# KiCad board pcb.kicad_pcb (continued)
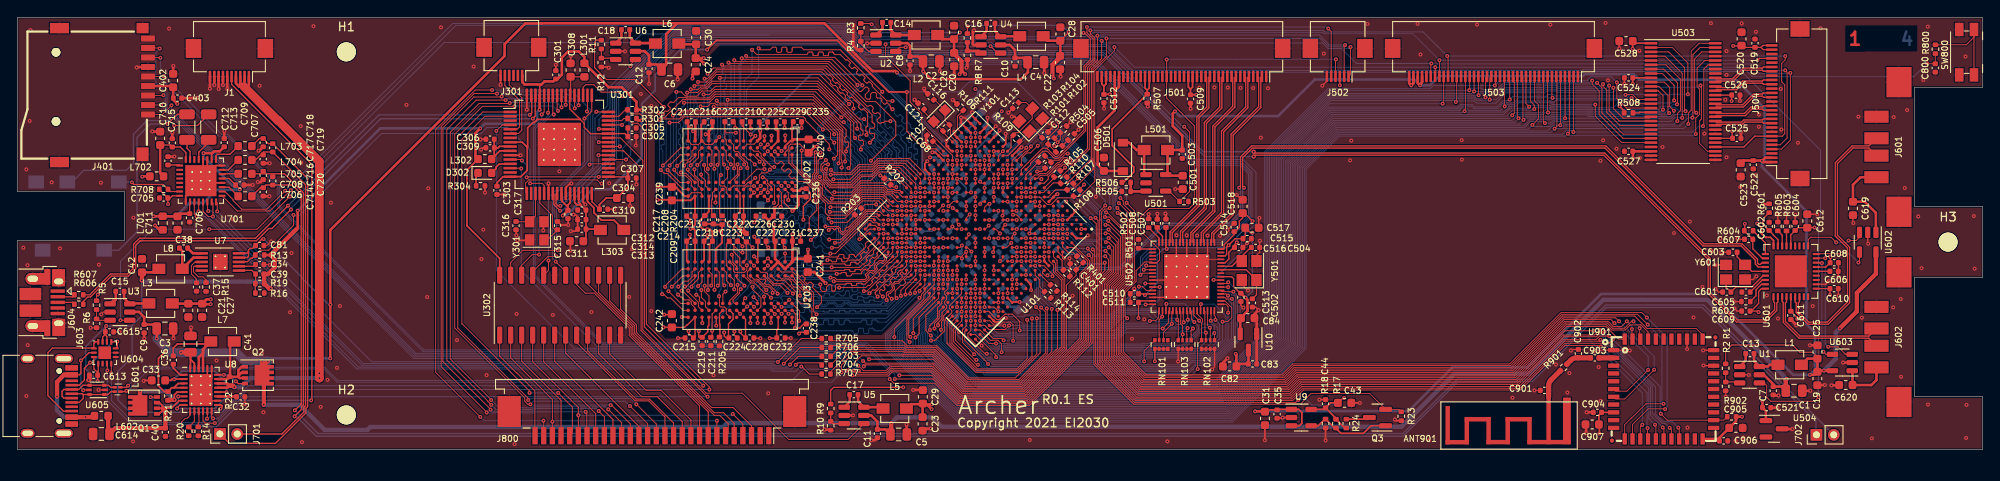
[diagram p0: board, top side]
## Routing (per net, layer and track width the routed paths; a pad name or vN(x,y) marks a point on that pad's centre or on a via; arc(x,y) is an arc through that point) (continued)
VBUS: length 17.3
  Top w0.2: 17.08,4.78 17.79,4.78 18.67,5.65 U8.7 ; 17.08,4.78 Q1.2 ; 17.08,4.78 16.77,4.78 ; 16.77,4.78 16.77,4.51 16.38,4.13 Q1.1 ; 16.77,4.78 16.77,5.07 16.41,5.43 Q1.3
  Top w0.5: 16.77,4.78 17.1,4.45 C40.2 11.33,2.48 C614.1 10.49,1.96 L602.1
VBUS_IN: length 20.3
  Top w0.15: v1(7.61,6.86) 7.65,6.9 U605.5 ; J603.A4 7.16,8.65 7.34,8.83 7.34,10.28 8.26,11.2 U604.2
  Top w0.5: J603.A9 8.76,3.75 L602.2 ; J603.A4 5.4,8.65 4.58,7.83 v1(4.58,6.14)
  Bottom w0.15: v1(7.61,6.86) 7.34,7.13 v1(7.34,10.3)
  Bottom w0.5: v1(7.86,3.76) 5.37,3.76 4.58,4.55 v1(4.58,6.14)
+DRAM_VREF: length 81.9
  Top w0.1: U101.AC13 v2(105.36,31.33)
  Top w0.11: U202.M8 80.29,29.71 80.29,28.93 80.2,28.84 80.2,27.26 80.89,26.57 81.65,26.57 C209.1 ; C209.1 84.2,22.02 U203.H1 ; C209.1 84.28,24.02 v1(84.92,23.38) ; v1(84.7,36.44) 83.71,37.44 C210.1 83.88,37.73 U202.H1 ; U203.M8 80.25,15.67 v1(80.25,13.74) 80.25,13.13 C211.1
  Bottom w0.11: v1(80.25,13.74) 80.25,14.55 84.38,18.68 84.38,18.9 84.65,19.16 84.65,23.11 v1(84.92,23.38) 84.69,23.61 84.69,30.62 84.79,30.72 84.79,32.82 84.7,32.92 84.7,36.43 v1(84.7,36.44)
  Bottom w0.15: R207.1 R206.2 86.6,24.09 C233.2 ; C234.1 C233.2 ; C233.2 86,25.76 84.8,25.76 ; 84.69,25.65 84.8,25.76 84.8,25.76 ; 84.8,25.76 84.77,25.73
  Bottom w0.2: v1(84.7,36.44) 91.66,43.4 98.73,43.4 104.52,37.61 104.52,32.45 105.36,31.61 v2(105.36,31.33)
+SYS: length 398.3
  Top w0.15: 26.71,22.9 26.71,23.09 26.9,23.28 27.2,23.28 C81.2 27.52,23.62 28.25,24.35 v1(28.44,24.35) ; 26.71,22.9 26.52,22.72 25.62,22.72 U7.10 ; 26.71,22.9 26.71,22.37 26.54,22.2 25.6,22.2 U7.9
  Top w0.2: 20,10.69 C41.2 ; 20,10.69 20,10.43 20.45,9.98 U8.27 ; 20,10.69 20,9.4 U8.28 ; v1(17.19,11.44) 16.3,10.55 16.3,7.36 16.96,6.71 R21.1 17.84,7.15 18.14,7.15 ; U8.4 18.14,7.15 ; 18.14,7.15 18.14,7.2 18.57,7.63 19.23,7.63 U8.3
  Top w0.3: U6.5 71.41,46.08 72.46,46.08 72.95,45.58 C12.2 73.82,44.54 C6.2 ; U4.5 114.63,46.81 115.24,46.2 C10.2 116.19,45.31 116.73,44.76 116.73,43.64 116.72,43.64 115.93,42.85 105.53,42.85 v1(104.63,43.75) 104.61,43.78 C2.2 104.05,45.46 C8.2 103.11,46.72 102.81,47.01 101.46,47.01 U2.5 ; 96.85,45.68 98.74,43.78 101.43,43.78 v1(101.6,43.61) ; 96.85,45.68 96.85,45.67 ; 96.85,45.68 93.22,49.3 76.21,49.3 ; C6.2 74.38,43.94 ; C6.2 74.94,44.5 74.94,48.03 76.21,49.3 ; 76.21,49.3 60.54,49.3 60.52,49.28 58.67,49.28 56.28,46.89 56.28,45.53 36.14,25.39 v1(36.14,10.54) ; U1.5 201.72,8.65 202.81,7.56 C7.2 203.78,7.28 C1.2 ; v1(16.11,12.83) 16.11,13.99 C3.2 15.64,14.46 C9.2 14.65,15.26 14.65,15.32 14.05,15.92 13.01,15.92 U3.5 ; C5.2 100.26,2.32 C11.2 99.34,3.23 98.63,3.94 U5.5
  Top w0.5: C1.2 204.26,8.07 v1(204.35,8.16) ; v1(28.93,10.23) 28.26,9.55 Q2.5 ; C41.2 18.91,11.25 v1(18.9,11.24) ; v1(100.93,3.06) 100.93,1.83 C5.2 ; Q2.5 28.47,8.38 v1(28.47,5.18) ; Q2.5 28.26,10.23 v1(28.27,10.25)
  Bottom w0.15: v1(36.16,16.76) 35.95,16.76 32.85,19.86 32.85,19.94 v1(28.44,24.35)
  Bottom w0.3: v1(36.14,10.54) 29.24,10.54 ; 29.24,10.54 25.97,10.54 ; 29.24,10.54 v1(28.93,10.23) ; v1(104.63,43.75) 104.63,43.48 104.42,43.27 101.94,43.27 v1(101.6,43.61)
  Bottom w0.5: v1(28.47,5.18) 28.48,5.17 32.59,5.17 35.49,2.27 40.43,2.27 40.77,2.61 81.52,2.61 81.97,3.06 v1(100.93,3.06) 101.59,3.72 105.68,3.72 106.76,2.64 159.87,2.64 166,8.77 174.64,8.77 183.19,17.32 195.19,17.32 v1(204.35,8.16)
  Bottom w1: v1(16.11,12.83) 17.69,11.24 v1(18.9,11.24) 18.96,11.18 25.33,11.18 26.26,10.25 28.91,10.25 v1(28.93,10.23)
/audio/MICBIAS: length 1.4
  Top w0.15: C715.1 18.68,32.92 U701.1
/ddr/DRAM_ADDR0: length 69.6
  Top w0.1: U202.N3 79.7,33.92 79.7,32.51 v1(79.75,32.46) ; v1(79.76,18.46) 79.77,18.46 79.77,19.97 79.89,20.1 ; 96.75,40.4 97.25,39.9 arc(97.26,39.87) 97.25,39.83 97.14,39.73 arc(97.11,39.66) 97.14,39.59 97.42,39.3 arc(97.49,39.27) 97.57,39.3 97.67,39.41 arc(97.71,39.42) 97.74,39.41 98.21,38.94 98.21,37.44 arc(98.18,37.37) 98.11,37.34 arc(98.04,37.31) 98.01,37.24 98.01,36.84 arc(98.04,36.77) 98.11,36.74 arc(98.18,36.71) 98.21,36.64 98.21,36.54 v1(98.07,36.4) ; 96.75,40.4 96.4,40.75 arc(96.36,40.77) 96.33,40.75 96.26,40.68 arc(96.22,40.67) 96.19,40.68 95.83,41.04 arc(95.82,41.07) 95.83,41.11 95.9,41.18 arc(95.92,41.21) 95.9,41.25 95.55,41.6 arc(95.51,41.62) 95.48,41.6 95.41,41.53 arc(95.37,41.52) 95.34,41.53 94.98,41.88 arc(94.97,41.92) 94.98,41.95 95.05,42.03 arc(95.07,42.06) 95.05,42.1 94.7,42.45 arc(94.67,42.46) 94.63,42.45 94.56,42.38 arc(94.52,42.36) 94.49,42.38 94.14,42.73 arc(94.12,42.77) 94.14,42.8 94.21,42.87 arc(94.22,42.91) 94.21,42.94 93.85,43.3 arc(93.82,43.31) 93.78,43.3 arc(93.75,43.28) 93.71,43.3 93.08,43.93 80.73,43.93 79.69,42.9 v1(79.38,42.9) ; 96.75,40.4 96.89,40.26 ; U101.AB19 v2(102.18,27.09)
  Bottom w0.1: 100.47,32.71 100.47,32.91 ; 100.47,32.71 100.47,32.21 arc(100.45,32.18) 100.42,32.16 arc(100.38,32.15) 100.37,32.11 100.37,31.61 arc(100.38,31.58) 100.42,31.56 arc(100.45,31.55) 100.47,31.51 100.47,31.01 arc(100.45,30.98) 100.42,30.96 arc(100.38,30.95) 100.37,30.91 100.37,30.41 arc(100.38,30.38) 100.42,30.36 arc(100.45,30.35) 100.47,30.31 100.47,29.81 arc(100.45,29.78) 100.42,29.76 arc(100.38,29.75) 100.37,29.71 100.37,28.37 arc(100.39,28.32) 100.37,28.26 arc(100.34,28.21) 100.37,28.16 100.68,27.84 arc(100.74,27.82) 100.79,27.84 arc(100.84,27.86) 100.9,27.84 101.64,27.09 v2(102.18,27.09) ; 100.47,32.71 100.47,33.41 arc(100.45,33.45) 100.42,33.46 100.29,33.46 arc(100.24,33.49) 100.22,33.54 100.22,33.99 100.24,34.01 100.24,34.27 99.57,34.93 arc(99.52,34.95) 99.47,34.93 arc(99.41,34.91) 99.36,34.93 99.04,35.25 arc(99.02,35.3) 99.04,35.36 99.15,35.46 arc(99.17,35.52) 99.15,35.57 98.83,35.89 arc(98.78,35.91) 98.72,35.89 arc(98.67,35.87) 98.62,35.89 98.1,36.4 v1(98.07,36.4) ; v1(79.76,18.46) 79.77,18.46 79.77,24.27 80.13,24.63 80.13,26.03 79.77,26.39 79.77,32.45 v1(79.75,32.46) 79.71,32.5 79.71,33.19 arc(79.69,33.24) 79.63,33.26 arc(79.58,33.28) 79.56,33.34 79.56,33.79 arc(79.58,33.84) 79.63,33.86 79.78,33.86 arc(79.84,33.88) 79.86,33.94 79.86,34.39 arc(79.84,34.44) 79.78,34.46 79.63,34.46 arc(79.58,34.48) 79.56,34.54 79.56,34.99 arc(79.58,35.04) 79.63,35.06 79.78,35.06 arc(79.84,35.08) 79.86,35.14 79.86,35.59 arc(79.84,35.64) 79.78,35.66 79.63,35.66 arc(79.58,35.68) 79.56,35.74 79.56,35.94 79.66,36.05 79.76,36.05 79.9,36.19 79.9,36.75 79.78,36.86 79.63,36.86 arc(79.58,36.88) 79.56,36.94 79.56,37.39 arc(79.58,37.44) 79.63,37.46 79.78,37.46 arc(79.84,37.48) 79.86,37.54 79.86,37.99 arc(79.84,38.04) 79.78,38.06 79.63,38.06 arc(79.58,38.08) 79.56,38.14 79.56,38.59 arc(79.58,38.64) 79.63,38.66 arc(79.69,38.68) 79.71,38.74 79.66,38.79 79.66,39.29 79.69,39.32 79.69,41.68 arc(79.65,41.79) 79.54,41.83 arc(79.44,41.88) 79.39,41.98 79.39,42.28 arc(79.44,42.39) 79.54,42.43 arc(79.65,42.48) 79.69,42.58 v1(79.38,42.9)
/ddr/DRAM_ADDR1: length 69.4
  Top w0.1: v1(78.41,17.89) 78.52,17.89 78.79,17.63 78.79,17.2 79.09,16.9 ; U202.P7 78.21,31.77 v1(78.21,32.41) ; v1(78.2,42.05) 78.29,42.14 79.5,42.14 80.74,43.37 92.66,43.37 v1(96.07,39.97) ; U101.AB16 v2(103.77,28.68)
  Bottom w0.1: 99.35,36.96 99.69,36.62 arc(99.75,36.6) 99.8,36.62 99.92,36.75 arc(99.99,36.78) 100.06,36.75 100.35,36.46 arc(100.38,36.39) 100.35,36.32 100.22,36.2 arc(100.2,36.15) 100.22,36.09 100.54,35.77 arc(100.59,35.75) 100.65,35.77 100.77,35.9 arc(100.84,35.93) 100.91,35.9 101.2,35.62 arc(101.23,35.54) 101.2,35.47 101.07,35.35 arc(101.05,35.3) 101.07,35.24 101.39,34.93 arc(101.44,34.9) 101.5,34.93 arc(101.55,34.95) 101.6,34.93 101.95,34.58 101.95,34.47 arc(101.92,34.4) 101.85,34.37 arc(101.78,34.34) 101.75,34.27 101.75,33.87 arc(101.78,33.8) 101.85,33.77 102.02,33.77 arc(102.08,33.75) 102.1,33.7 102.1,33.25 arc(102.08,33.2) 102.02,33.17 101.85,33.17 arc(101.78,33.14) 101.75,33.07 101.75,32.67 arc(101.78,32.6) 101.85,32.57 102.02,32.57 arc(102.08,32.55) 102.1,32.5 102.1,32.05 arc(102.08,32) 102.02,31.97 101.85,31.97 arc(101.78,31.94) 101.75,31.87 101.75,31.47 arc(101.78,31.4) 101.85,31.37 102.02,31.37 arc(102.08,31.35) 102.1,31.3 102.1,30.85 arc(102.08,30.8) 102.02,30.77 arc(101.97,30.75) 101.95,30.7 101.95,29.97 arc(102.01,29.83) 101.95,29.69 arc(101.89,29.55) 101.95,29.41 102.09,29.26 arc(102.23,29.21) 102.37,29.26 arc(102.51,29.32) 102.65,29.26 103.24,28.68 v2(103.77,28.68) ; 99.35,36.96 99.35,37.17 ; 99.35,36.96 99.35,37.91 99.23,38.03 arc(99.19,38.14) 99.23,38.24 arc(99.28,38.35) 99.23,38.45 99.02,38.67 arc(98.92,38.71) 98.81,38.67 98.6,38.45 arc(98.49,38.41) 98.39,38.45 98.17,38.67 arc(98.13,38.77) 98.17,38.88 98.39,39.09 arc(98.43,39.2) 98.39,39.3 98.17,39.51 arc(98.07,39.56) 97.96,39.51 97.75,39.3 arc(97.64,39.26) 97.54,39.3 97.32,39.51 arc(97.28,39.62) 97.32,39.73 arc(97.37,39.83) 97.32,39.94 96.86,40.41 96.5,40.41 v1(96.07,39.97) ; 78.16,32.48 78.21,32.43 v1(78.21,32.41) ; v1(78.21,32.41) 78.25,32.38 78.25,26.82 78.39,26.68 78.39,24.26 78.25,24.12 78.25,18.68 78.41,18.51 v1(78.41,17.89) ; v1(78.21,32.41) 78.15,32.48 78.15,36.06 78.44,36.35 78.44,37.34 78.15,37.63 78.15,41.49 78.2,41.55 v1(78.2,42.05)
/ddr/DRAM_ADDR2: length 68.7
  Top w0.1: v1(78.54,32.9) 79.08,33.44 U202.P3 ; U101.AC18 v2(102.18,28.15) ; v1(78.63,18.9) 79.09,19.37 79.09,20.1 ; v1(78.62,42.52) 79.6,42.52 80.76,43.68 92.92,43.68 93.94,42.66 arc(93.97,42.59) 93.94,42.52 arc(93.91,42.45) 93.94,42.38 94.22,42.1 arc(94.29,42.07) 94.36,42.1 arc(94.43,42.13) 94.5,42.1 94.79,41.81 arc(94.81,41.74) 94.79,41.67 arc(94.76,41.6) 94.79,41.53 95.07,41.25 arc(95.14,41.22) 95.21,41.25 arc(95.28,41.28) 95.35,41.25 95.63,40.96 arc(95.66,40.89) 95.63,40.82 arc(95.6,40.75) 95.63,40.68 95.92,40.4 arc(95.99,40.37) 96.06,40.4 arc(96.13,40.43) 96.2,40.4 96.58,40.02 v1(96.58,39.45)
  Bottom w0.1: 78.66,37.23 78.66,37.53 arc(78.62,37.63) 78.51,37.68 arc(78.41,37.72) 78.36,37.83 78.36,38.13 arc(78.41,38.23) 78.51,38.28 arc(78.62,38.32) 78.66,38.43 78.66,38.73 arc(78.62,38.83) 78.51,38.88 arc(78.41,38.92) 78.36,39.03 78.36,39.48 arc(78.39,39.53) 78.44,39.55 arc(78.49,39.57) 78.51,39.63 78.51,40.08 arc(78.49,40.13) 78.44,40.15 arc(78.39,40.17) 78.36,40.23 78.36,40.53 arc(78.41,40.63) 78.51,40.68 arc(78.62,40.72) 78.66,40.83 78.66,41.13 arc(78.62,41.23) 78.51,41.28 arc(78.41,41.32) 78.36,41.43 78.62,41.68 v1(78.62,42.52) ; 78.66,37.23 78.66,36.03 arc(78.62,35.92) 78.51,35.88 arc(78.41,35.83) 78.36,35.73 78.36,35.43 arc(78.41,35.32) 78.51,35.28 arc(78.62,35.23) 78.66,35.13 78.66,34.83 arc(78.62,34.72) 78.51,34.68 arc(78.41,34.63) 78.36,34.53 78.36,33.08 v1(78.54,32.9) 78.59,32.86 78.59,18.94 v1(78.63,18.9) ; 78.66,37.23 78.66,36.33 ; v2(102.18,28.15) 101.06,29.27 101.06,29.89 arc(101.04,29.94) 100.98,29.96 arc(100.93,29.98) 100.91,30.04 100.91,30.49 arc(100.93,30.54) 100.98,30.56 101.18,30.56 101.31,30.69 101.31,31.04 arc(101.27,31.13) 101.18,31.16 100.98,31.16 arc(100.93,31.18) 100.91,31.24 100.91,31.69 arc(100.93,31.74) 100.98,31.76 101.18,31.76 arc(101.27,31.8) 101.31,31.89 101.31,32.24 arc(101.27,32.33) 101.18,32.36 100.98,32.36 arc(100.93,32.38) 100.91,32.44 100.91,32.89 arc(100.93,32.94) 100.98,32.96 101.18,32.96 arc(101.27,33) 101.31,33.09 101.31,33.44 arc(101.27,33.53) 101.18,33.56 100.98,33.56 arc(100.93,33.58) 100.91,33.64 100.91,34.09 arc(100.93,34.14) 100.98,34.16 arc(101.04,34.18) 101.06,34.24 101.06,34.44 100.66,34.84 arc(100.62,34.86) 100.58,34.84 arc(100.55,34.83) 100.51,34.84 100.16,35.19 arc(100.15,35.23) 100.16,35.27 100.25,35.35 arc(100.27,35.41) 100.25,35.46 99.93,35.78 arc(99.88,35.8) 99.82,35.78 99.74,35.69 arc(99.7,35.67) 99.67,35.69 99.31,36.04 arc(99.3,36.08) 99.31,36.11 99.4,36.2 arc(99.42,36.26) 99.4,36.31 99.08,36.63 arc(99.03,36.65) 98.98,36.63 98.89,36.54 arc(98.85,36.52) 98.82,36.54 98.46,36.89 arc(98.45,36.93) 98.46,36.96 98.55,37.05 arc(98.57,37.1) 98.55,37.16 98.23,37.47 arc(98.18,37.5) 98.13,37.47 98.04,37.39 arc(98,37.37) 97.97,37.39 97.61,37.74 arc(97.6,37.78) 97.61,37.81 arc(97.63,37.85) 97.61,37.88 97.3,38.2 97.3,38.41 97.54,38.66 97.54,38.86 97.34,39.06 97.15,39.06 96.9,38.81 96.69,38.81 96.58,38.91 v1(96.58,39.45)
/ddr/DRAM_ADDR3: length 68.7
  Top w0.1: 79.89,20.9 79.89,20.61 80.24,20.26 80.24,19.06 v1(80.14,18.96) ; U101.AC20 v2(101.11,27.09) ; v1(80.1,32.94) 80.23,33.08 80.23,34.55 U202.N2 ; v1(98.47,35.5) 98.72,35.75 98.72,35.82 arc(98.77,35.92) 98.87,35.97 arc(98.98,36.01) 99.02,36.12 99.02,36.42 arc(98.98,36.52) 98.87,36.57 98.57,36.57 arc(98.47,36.61) 98.42,36.72 98.42,37.02 arc(98.47,37.12) 98.57,37.17 98.87,37.17 arc(98.98,37.21) 99.02,37.32 99.02,37.62 arc(98.98,37.72) 98.87,37.77 arc(98.77,37.81) 98.72,37.92 98.72,38.72 93.32,44.13 80.39,44.13 v1(79.73,43.47)
  Bottom w0.1: v1(98.47,35.5) 99.81,34.16 99.81,33.41 arc(99.83,33.36) 99.88,33.34 100.06,33.34 arc(100.13,33.31) 100.16,33.24 100.16,32.84 arc(100.13,32.77) 100.06,32.74 99.88,32.74 arc(99.83,32.72) 99.81,32.66 99.81,32.21 arc(99.83,32.16) 99.88,32.14 100.06,32.14 arc(100.13,32.11) 100.16,32.04 100.16,31.64 arc(100.13,31.57) 100.06,31.54 99.81,31.29 ; v1(79.73,43.47) 79.89,43.31 79.89,43.18 arc(79.94,43.07) 80.04,43.03 arc(80.15,42.98) 80.19,42.88 80.19,42.58 arc(80.15,42.47) 80.04,42.43 arc(79.94,42.38) 79.89,42.28 79.89,41.98 arc(79.94,41.87) 80.04,41.83 arc(80.15,41.78) 80.19,41.68 80.19,41.38 arc(80.15,41.27) 80.04,41.23 arc(79.94,41.18) 79.89,41.08 79.89,39.24 79.86,39.21 79.86,38.93 80.1,38.69 80.1,38.37 arc(80.12,38.32) 80.17,38.29 arc(80.23,38.27) 80.25,38.22 80.25,37.77 arc(80.23,37.72) 80.17,37.69 arc(80.12,37.67) 80.1,37.62 80.1,37.17 arc(80.12,37.12) 80.17,37.09 arc(80.23,37.07) 80.25,37.02 80.25,36.57 arc(80.23,36.52) 80.17,36.49 arc(80.12,36.47) 80.1,36.42 80.1,35.97 arc(80.12,35.92) 80.17,35.89 arc(80.23,35.87) 80.25,35.82 80.25,35.37 arc(80.23,35.32) 80.17,35.29 arc(80.12,35.27) 80.1,35.22 80.1,34.77 arc(80.12,34.72) 80.17,34.69 arc(80.23,34.67) 80.25,34.62 80.25,34.17 arc(80.23,34.12) 80.17,34.09 arc(80.12,34.07) 80.1,34.02 v1(80.1,32.94) 80.13,32.91 80.13,29.33 79.98,29.18 79.98,28.21 80.32,27.87 80.32,19.14 v1(80.14,18.96) ; v2(101.11,27.09) 99.96,28.25 99.96,29.04 arc(99.98,29.11) 100.06,29.14 arc(100.13,29.17) 100.16,29.24 100.16,29.64 arc(100.13,29.71) 100.06,29.74 99.88,29.74 arc(99.83,29.76) 99.81,29.81 99.81,30.26 arc(99.83,30.32) 99.88,30.34 100.06,30.34 arc(100.13,30.37) 100.16,30.44 100.16,30.84 arc(100.13,30.91) 100.06,30.94 99.88,30.94 arc(99.83,30.96) 99.81,31.01 99.81,31.29 ; 99.81,31.29 99.81,31.25
/ddr/DRAM_ADDR4: length 68.1
  Top w0.1: 79.09,16.1 78.66,16.53 78.66,17.04 77.49,18.22 v1(77.49,18.39) ; v1(77.43,32.39) 77.43,32.26 78.65,31.05 78.65,30.53 U202.P8 ; v1(97,37.11) 97,37.75 92.41,42.34 80.26,42.34 79.65,41.73 79,41.73 78.56,41.29 v1(77.37,41.29) ; U101.AB21 v2(101.11,26.03)
  Bottom w0.1: 77.23,37 77.23,37.74 77.24,37.74 ; 77.23,37 77.23,37.82 77.39,37.98 77.39,41.27 v1(77.37,41.29) ; 77.23,37 77.24,36.99 77.24,36.54 arc(77.26,36.49) 77.31,36.47 77.46,36.47 arc(77.51,36.45) 77.54,36.39 77.54,35.94 arc(77.51,35.89) 77.46,35.87 77.31,35.87 arc(77.26,35.85) 77.24,35.79 77.24,35.34 arc(77.26,35.29) 77.31,35.27 77.46,35.27 arc(77.51,35.25) 77.54,35.19 77.54,34.74 arc(77.51,34.69) 77.46,34.67 77.31,34.67 arc(77.26,34.65) 77.24,34.59 77.24,34.14 arc(77.26,34.09) 77.31,34.07 arc(77.36,34.05) 77.39,33.99 77.39,32.44 v1(77.43,32.39) 77.49,32.34 77.49,26.87 77.24,26.62 77.24,24.34 77.49,24.09 77.49,18.39 v1(77.49,18.39) ; v2(101.11,26.03) 101.11,26.56 100.62,27.05 arc(100.6,27.1) 100.62,27.16 arc(100.65,27.21) 100.62,27.26 100.31,27.58 arc(100.25,27.6) 100.2,27.58 100.08,27.46 arc(100,27.43) 99.93,27.46 99.65,27.74 arc(99.62,27.81) 99.65,27.88 arc(99.68,27.95) 99.65,28.02 99.58,28.09 99.58,31.11 99.23,31.45 99.23,31.99 99.58,32.34 99.58,33.85 98.94,34.49 arc(98.92,34.54) 98.94,34.6 arc(98.96,34.65) 98.94,34.7 98.62,35.02 arc(98.57,35.04) 98.52,35.02 98.43,34.93 arc(98.39,34.92) 98.36,34.93 98,35.29 arc(97.99,35.32) 98,35.36 98.07,35.43 arc(98.09,35.46) 98.07,35.5 97.72,35.85 arc(97.69,35.87) 97.65,35.85 arc(97.61,35.84) 97.58,35.85 97.36,36.07 97.36,36.75 v1(97,37.11)
/ddr/DRAM_ADDR5: length 69.3
  Top w0.1: U101.Y23 v2(101.11,23.91) ; v1(97.42,34.71) 97.42,35.02 arc(97.47,35.12) 97.57,35.17 arc(97.68,35.21) 97.72,35.32 97.72,35.62 arc(97.68,35.72) 97.57,35.77 97.3,35.77 arc(97.21,35.8) 97.17,35.89 97.17,36.24 arc(97.21,36.33) 97.3,36.37 97.55,36.37 arc(97.64,36.4) 97.67,36.49 97.67,36.84 arc(97.64,36.93) 97.55,36.97 arc(97.46,37) 97.42,37.09 97.42,37.68 92.49,42.61 80.26,42.61 79.58,41.93 78.93,41.93 78.66,41.67 v1(77.79,41.67) ; 79.09,20.9 78.68,20.49 78.68,19.76 77.87,18.94 v1(77.87,18.82) ; U202.P2 78.67,34.49 78.67,33.77 v1(77.77,32.87)
  Bottom w0.1: v1(77.87,18.82) 77.81,18.87 77.81,24.03 78.19,24.41 78.19,26.5 77.81,26.88 77.81,32.82 v1(77.77,32.87) 77.77,36.55 77.44,36.88 77.44,37.08 77.43,37.08 77.43,37.7 77.77,38.03 77.77,41.65 v1(77.79,41.67) ; v1(97.42,34.71) 98.2,33.93 98.2,33.12 arc(98.22,33.07) 98.28,33.05 arc(98.33,33.03) 98.35,32.97 98.35,32.52 arc(98.33,32.47) 98.28,32.45 arc(98.22,32.43) 98.2,32.37 98.2,31.92 arc(98.22,31.87) 98.28,31.85 arc(98.33,31.83) 98.35,31.77 98.35,31.32 arc(98.33,31.27) 98.28,31.25 arc(98.22,31.23) 98.2,31.17 98.2,30.72 arc(98.22,30.67) 98.28,30.65 arc(98.33,30.63) 98.35,30.57 98.35,30.12 arc(98.33,30.07) 98.28,30.05 arc(98.22,30.03) 98.2,29.97 98.2,29.52 arc(98.22,29.47) 98.28,29.45 arc(98.33,29.43) 98.35,29.37 98.35,28.92 arc(98.33,28.87) 98.28,28.85 arc(98.22,28.83) 98.2,28.77 98.2,28.32 arc(98.22,28.27) 98.28,28.25 arc(98.33,28.23) 98.35,28.17 98.35,27.72 arc(98.33,27.67) 98.28,27.65 arc(98.22,27.63) 98.2,27.57 98.2,25.5 99.79,23.91 v2(101.11,23.91)
/ddr/DRAM_ADDR6: length 69
  Top w0.1: 78.29,16.1 78.29,16.38 77.84,16.83 77.84,17.06 77.6,17.31 77.03,17.31 76.68,17.65 76.57,17.65 v1(76.31,17.91) ; U101.V22 v2(102.71,23.38) ; v1(75.72,38.65) 76.31,39.25 91.73,39.25 94.35,36.64 v1(94.35,36.47) ; v1(75.88,32.37) 75.88,32.27 76.47,31.67 77.2,31.67 77.84,31.03 77.84,30.53 U202.R8
  Bottom w0.1: v1(76.31,17.91) 76.31,18.02 75.97,18.37 75.97,18.37 75.97,32.28 v1(75.88,32.37) 75.79,32.45 75.79,38.57 v1(75.72,38.65) ; v1(94.35,36.47) 95.15,36.47 96.71,34.91 96.71,34.46 97.59,33.58 97.59,25.29 98.1,24.78 arc(98.15,24.67) 98.1,24.57 arc(98.06,24.46) 98.1,24.35 98.31,24.14 arc(98.42,24.1) 98.53,24.14 98.69,24.3 arc(98.74,24.32) 98.79,24.3 99.11,23.98 arc(99.13,23.93) 99.11,23.88 98.95,23.72 arc(98.91,23.61) 98.95,23.51 99.16,23.29 arc(99.27,23.25) 99.38,23.29 arc(99.48,23.34) 99.59,23.29 100.32,22.56 101.35,22.56 102.18,23.38 v2(102.71,23.38)
/ddr/DRAM_ADDR7: length 68.6
  Top w0.1: U101.Y22 v2(101.65,24.44) ; v1(76.22,32.82) 76.88,33.48 77.49,33.48 77.93,33.92 77.93,34.55 U202.R2 ; v1(76.35,18.84) 76.99,19.48 77.47,19.48 77.93,19.93 77.93,20.54 78.29,20.9 ; v1(96.76,36.03) 96.61,36.18 96.61,37.81 92.4,42.02 80.63,42.02 80.09,41.48 79.08,41.48 78.47,40.87 77.35,40.87 77.31,40.91 77.13,40.91 76.67,41.37 v1(76.11,41.37)
  Bottom w0.1: v1(96.76,36.03) 96.76,35.91 98.99,33.68 98.99,32.42 98.79,32.22 98.79,31.18 98.99,30.99 98.99,28.84 98.79,28.65 98.79,27.47 98.99,27.27 98.99,26.57 101.11,24.44 v2(101.65,24.44) ; v1(76.11,41.37) 76.11,32.92 v1(76.22,32.82) 76.26,32.77 76.26,18.93 v1(76.35,18.84)
/ddr/DRAM_ADDR8: length 69
  Top w0.1: v1(74.16,38.15) 74.25,38.24 76.51,38.24 77.08,38.81 91.25,38.81 v1(93.04,37.03) ; 77.49,16.1 76.9,16.1 75.46,17.53 75.1,17.53 74.74,17.88 74.57,17.88 v1(74.48,17.97) ; U202.T8 76.89,30.1 75.05,31.94 74.73,31.94 v1(74.33,32.34) ; U101.W22 v2(102.18,23.91)
  Bottom w0.1: 100.18,23.24 100.07,23.35 ; 100.18,23.24 97.9,25.51 97.9,33.69 97.03,34.57 97.03,35.07 95.08,37.03 v1(93.04,37.03) ; 100.18,23.24 100.97,23.24 101.65,23.91 v2(102.18,23.91) ; v1(74.48,17.97) 74.48,18.28 74.36,18.41 74.36,32.31 v1(74.33,32.34) 74.16,32.51 v1(74.16,38.15)
/ddr/DRAM_ADDR9: length 68.4
  Top w0.1: U101.V23 v2(102.18,22.85) ; v1(95.72,34.49) 95.72,34.82 arc(95.77,34.93) 95.87,34.97 arc(95.98,35.01) 96.02,35.12 96.02,35.42 arc(95.98,35.53) 95.87,35.57 95.65,35.57 arc(95.59,35.59) 95.57,35.64 95.57,36.09 arc(95.59,36.15) 95.65,36.17 arc(95.7,36.19) 95.72,36.24 95.72,37 91.89,40.83 80.61,40.83 79.9,40.12 v1(77.01,40.12) ; v1(77.11,18.85) 77.26,18.85 78.29,19.88 78.29,20.1 ; v1(77.01,32.84) 77.43,33.27 77.67,33.27 78.28,33.88 U202.R3
  Bottom w0.1: v1(77.01,40.12) 77.01,39.83 arc(76.97,39.74) 76.88,39.7 arc(76.79,39.66) 76.76,39.58 76.76,39.23 arc(76.79,39.14) 76.88,39.1 arc(76.97,39.06) 77.01,38.98 77.01,38.63 arc(76.98,38.56) 76.91,38.53 arc(76.84,38.5) 76.81,38.43 76.81,38.03 arc(76.84,37.96) 76.91,37.93 arc(76.98,37.9) 77.01,37.83 77.01,37.43 arc(76.98,37.36) 76.91,37.33 arc(76.84,37.3) 76.81,37.23 76.81,36.83 arc(76.84,36.76) 76.91,36.73 arc(76.98,36.7) 77.01,36.63 77.01,36.23 arc(76.98,36.16) 76.91,36.13 arc(76.84,36.1) 76.81,36.03 76.81,35.63 arc(76.84,35.56) 76.91,35.53 arc(76.98,35.5) 77.01,35.43 77.01,35.03 arc(76.98,34.96) 76.91,34.93 arc(76.84,34.9) 76.81,34.83 76.81,34.43 arc(76.84,34.36) 76.91,34.33 arc(76.98,34.3) 77.01,34.23 v1(77.01,32.84) 77.04,32.81 77.04,18.92 v1(77.11,18.85) ; v1(95.72,34.49) 95.72,34.17 96.77,33.13 96.77,24.24 97.19,23.82 arc(97.26,23.79) 97.33,23.82 arc(97.4,23.85) 97.47,23.82 97.75,23.54 arc(97.78,23.47) 97.75,23.4 arc(97.72,23.33) 97.75,23.26 98.69,22.32 arc(98.76,22.35) 98.79,22.42 arc(98.82,22.49) 98.89,22.52 99.29,22.52 arc(99.36,22.49) 99.39,22.42 99.39,22.22 arc(99.42,22.15) 99.49,22.12 99.89,22.12 arc(99.96,22.15) 99.99,22.22 arc(100.02,22.29) 100.09,22.32 101.65,22.32 v2(102.18,22.85)
/ddr/DRAM_ADDR10: length 69.6
  Top w0.1: v1(82.03,32.53) 82.03,31.45 U202.L7 ; U101.T23 v2(103.24,21.79) ; v1(82.04,40.45) 91.93,40.45 95.34,37.04 95.34,34.33 95.61,34.05 v1(95.61,33.32) ; 81.73,18.22 v1(81.79,18.28) 81.49,17.97 81.49,16.9
  Bottom w0.1: v1(81.79,18.28) 82.04,18.53 82.04,21.78 81.86,21.96 81.86,23.38 82.04,23.55 82.04,32.52 v1(82.03,32.53) 82.03,33.34 arc(82.06,33.41) 82.13,33.44 arc(82.2,33.47) 82.23,33.54 82.23,33.94 arc(82.2,34.01) 82.13,34.04 81.93,34.04 arc(81.86,34.07) 81.83,34.14 81.83,34.54 arc(81.86,34.61) 81.93,34.64 82.13,34.64 arc(82.2,34.67) 82.23,34.74 82.23,35.14 arc(82.2,35.21) 82.13,35.24 81.93,35.24 arc(81.86,35.27) 81.83,35.34 81.83,35.74 arc(81.86,35.81) 81.93,35.84 82.13,35.84 arc(82.2,35.87) 82.23,35.94 82.23,36.34 82.13,36.44 81.93,36.44 arc(81.86,36.47) 81.83,36.54 81.83,36.94 arc(81.86,37.01) 81.93,37.04 arc(82,37.07) 82.03,37.14 82.03,40.44 v1(82.04,40.45) ; v1(95.61,33.32) 95.61,31.71 95.85,31.48 ; 95.85,31.48 95.85,28.85 ; 95.85,31.48 95.85,28.4 arc(95.82,28.35) 95.77,28.33 arc(95.72,28.3) 95.7,28.25 95.7,27.8 arc(95.72,27.75) 95.77,27.73 arc(95.82,27.7) 95.85,27.65 95.85,27.2 arc(95.82,27.15) 95.77,27.13 arc(95.72,27.1) 95.7,27.05 95.7,26.6 arc(95.72,26.55) 95.77,26.53 arc(95.82,26.5) 95.85,26.45 95.85,26 arc(95.82,25.95) 95.77,25.93 arc(95.72,25.9) 95.7,25.85 95.7,25.4 arc(95.72,25.35) 95.77,25.33 arc(95.82,25.3) 95.85,25.25 95.85,24.8 arc(95.82,24.75) 95.77,24.73 arc(95.72,24.7) 95.7,24.65 95.7,24.47 99.41,20.75 99.6,20.75 arc(99.71,20.7) 99.75,20.6 arc(99.8,20.49) 99.9,20.45 100.2,20.45 arc(100.31,20.49) 100.35,20.6 100.35,20.87 arc(100.39,20.96) 100.48,21 100.83,21 arc(100.91,20.96) 100.95,20.87 100.95,20.6 arc(101,20.49) 101.1,20.45 101.4,20.45 arc(101.51,20.49) 101.55,20.6 arc(101.6,20.7) 101.7,20.75 102.2,20.75 v2(103.24,21.79)
/ddr/DRAM_ADDR11: length 69.1
  Top w0.1: 78.29,16.9 76.82,18.37 v1(76.73,18.37) ; v1(94.36,35.5) 93.92,35.94 93.92,36.68 91.55,39.05 76.78,39.05 v1(76.54,38.81) ; U101.U22 v2(103.24,22.85) ; U202.R7 77.22,31.96 76.75,31.96 v1(76.65,32.05)
  Bottom w0.1: v1(76.73,18.37) 76.73,18.37 76.73,32.3 76.61,32.43 76.61,33.39 arc(76.64,33.46) 76.71,33.49 arc(76.78,33.52) 76.81,33.59 76.81,33.99 arc(76.78,34.06) 76.71,34.09 76.48,34.09 arc(76.39,34.13) 76.36,34.22 76.36,34.57 arc(76.39,34.66) 76.48,34.69 arc(76.57,34.73) 76.61,34.82 76.61,35.17 arc(76.57,35.26) 76.48,35.29 arc(76.39,35.33) 76.36,35.42 76.36,35.77 arc(76.39,35.86) 76.48,35.89 arc(76.57,35.93) 76.61,36.02 76.61,36.37 arc(76.57,36.46) 76.48,36.49 arc(76.39,36.53) 76.36,36.62 76.36,36.97 arc(76.39,37.06) 76.48,37.09 arc(76.57,37.13) 76.61,37.22 76.61,37.57 arc(76.57,37.66) 76.48,37.69 arc(76.39,37.73) 76.36,37.82 76.36,38.17 arc(76.39,38.26) 76.48,38.29 arc(76.57,38.33) 76.61,38.42 76.61,38.75 v1(76.54,38.81) ; v2(103.24,22.85) 102.71,22.85 102.21,22.35 102.21,21.9 101.92,21.61 100.63,21.61 arc(100.52,21.65) 100.48,21.76 arc(100.44,21.87) 100.33,21.91 100.03,21.91 arc(99.92,21.87) 99.88,21.76 99.88,21.54 arc(99.86,21.48) 99.81,21.46 99.36,21.46 arc(99.3,21.48) 99.28,21.54 arc(99.26,21.59) 99.21,21.61 99.12,21.61 96.52,24.21 96.52,25.72 arc(96.5,25.75) 96.47,25.77 arc(96.43,25.78) 96.42,25.82 96.42,26.32 arc(96.43,26.35) 96.47,26.37 arc(96.5,26.38) 96.52,26.42 96.52,26.92 arc(96.5,26.95) 96.47,26.97 arc(96.43,26.98) 96.42,27.02 96.42,27.52 arc(96.43,27.55) 96.47,27.57 arc(96.5,27.58) 96.52,27.62 96.52,28.12 arc(96.5,28.15) 96.47,28.17 arc(96.43,28.18) 96.42,28.22 96.42,28.72 arc(96.43,28.75) 96.47,28.77 arc(96.5,28.78) 96.52,28.82 96.52,29.32 arc(96.5,29.35) 96.47,29.37 arc(96.43,29.38) 96.42,29.42 96.42,29.92 arc(96.43,29.95) 96.47,29.97 arc(96.5,29.98) 96.52,30.02 96.52,30.52 arc(96.5,30.55) 96.47,30.57 arc(96.43,30.58) 96.42,30.62 96.42,31.12 arc(96.43,31.15) 96.47,31.17 arc(96.5,31.18) 96.52,31.22 96.52,31.72 arc(96.5,31.75) 96.47,31.77 arc(96.43,31.78) 96.42,31.82 96.42,32.32 arc(96.43,32.35) 96.47,32.37 arc(96.5,32.38) 96.52,32.42 96.52,32.95 95.38,34.09 arc(95.36,34.14) 95.38,34.19 arc(95.41,34.25) 95.38,34.3 95.07,34.62 arc(95.01,34.64) 94.96,34.62 94.84,34.49 arc(94.76,34.47) 94.69,34.49 94.41,34.78 arc(94.38,34.85) 94.41,34.92 arc(94.44,34.99) 94.41,35.06 94.36,35.11 v1(94.36,35.5)